# Altium PCB FPGA_Module.PcbDoc (part 5 of 6)
Units mm, origin at the board's own origin, x right, y up, seen from the top; angles counter-clockwise.
Board outline 40 x 50 mm, 6 copper layers (Top Layer, Int1 (GND), Int2 (Sign), Int3 (Sign), Int4 (GND), Bottom Layer), stack 1.482 mm thick; 195 components, 212 nets, 1182 pads, 669 vias.
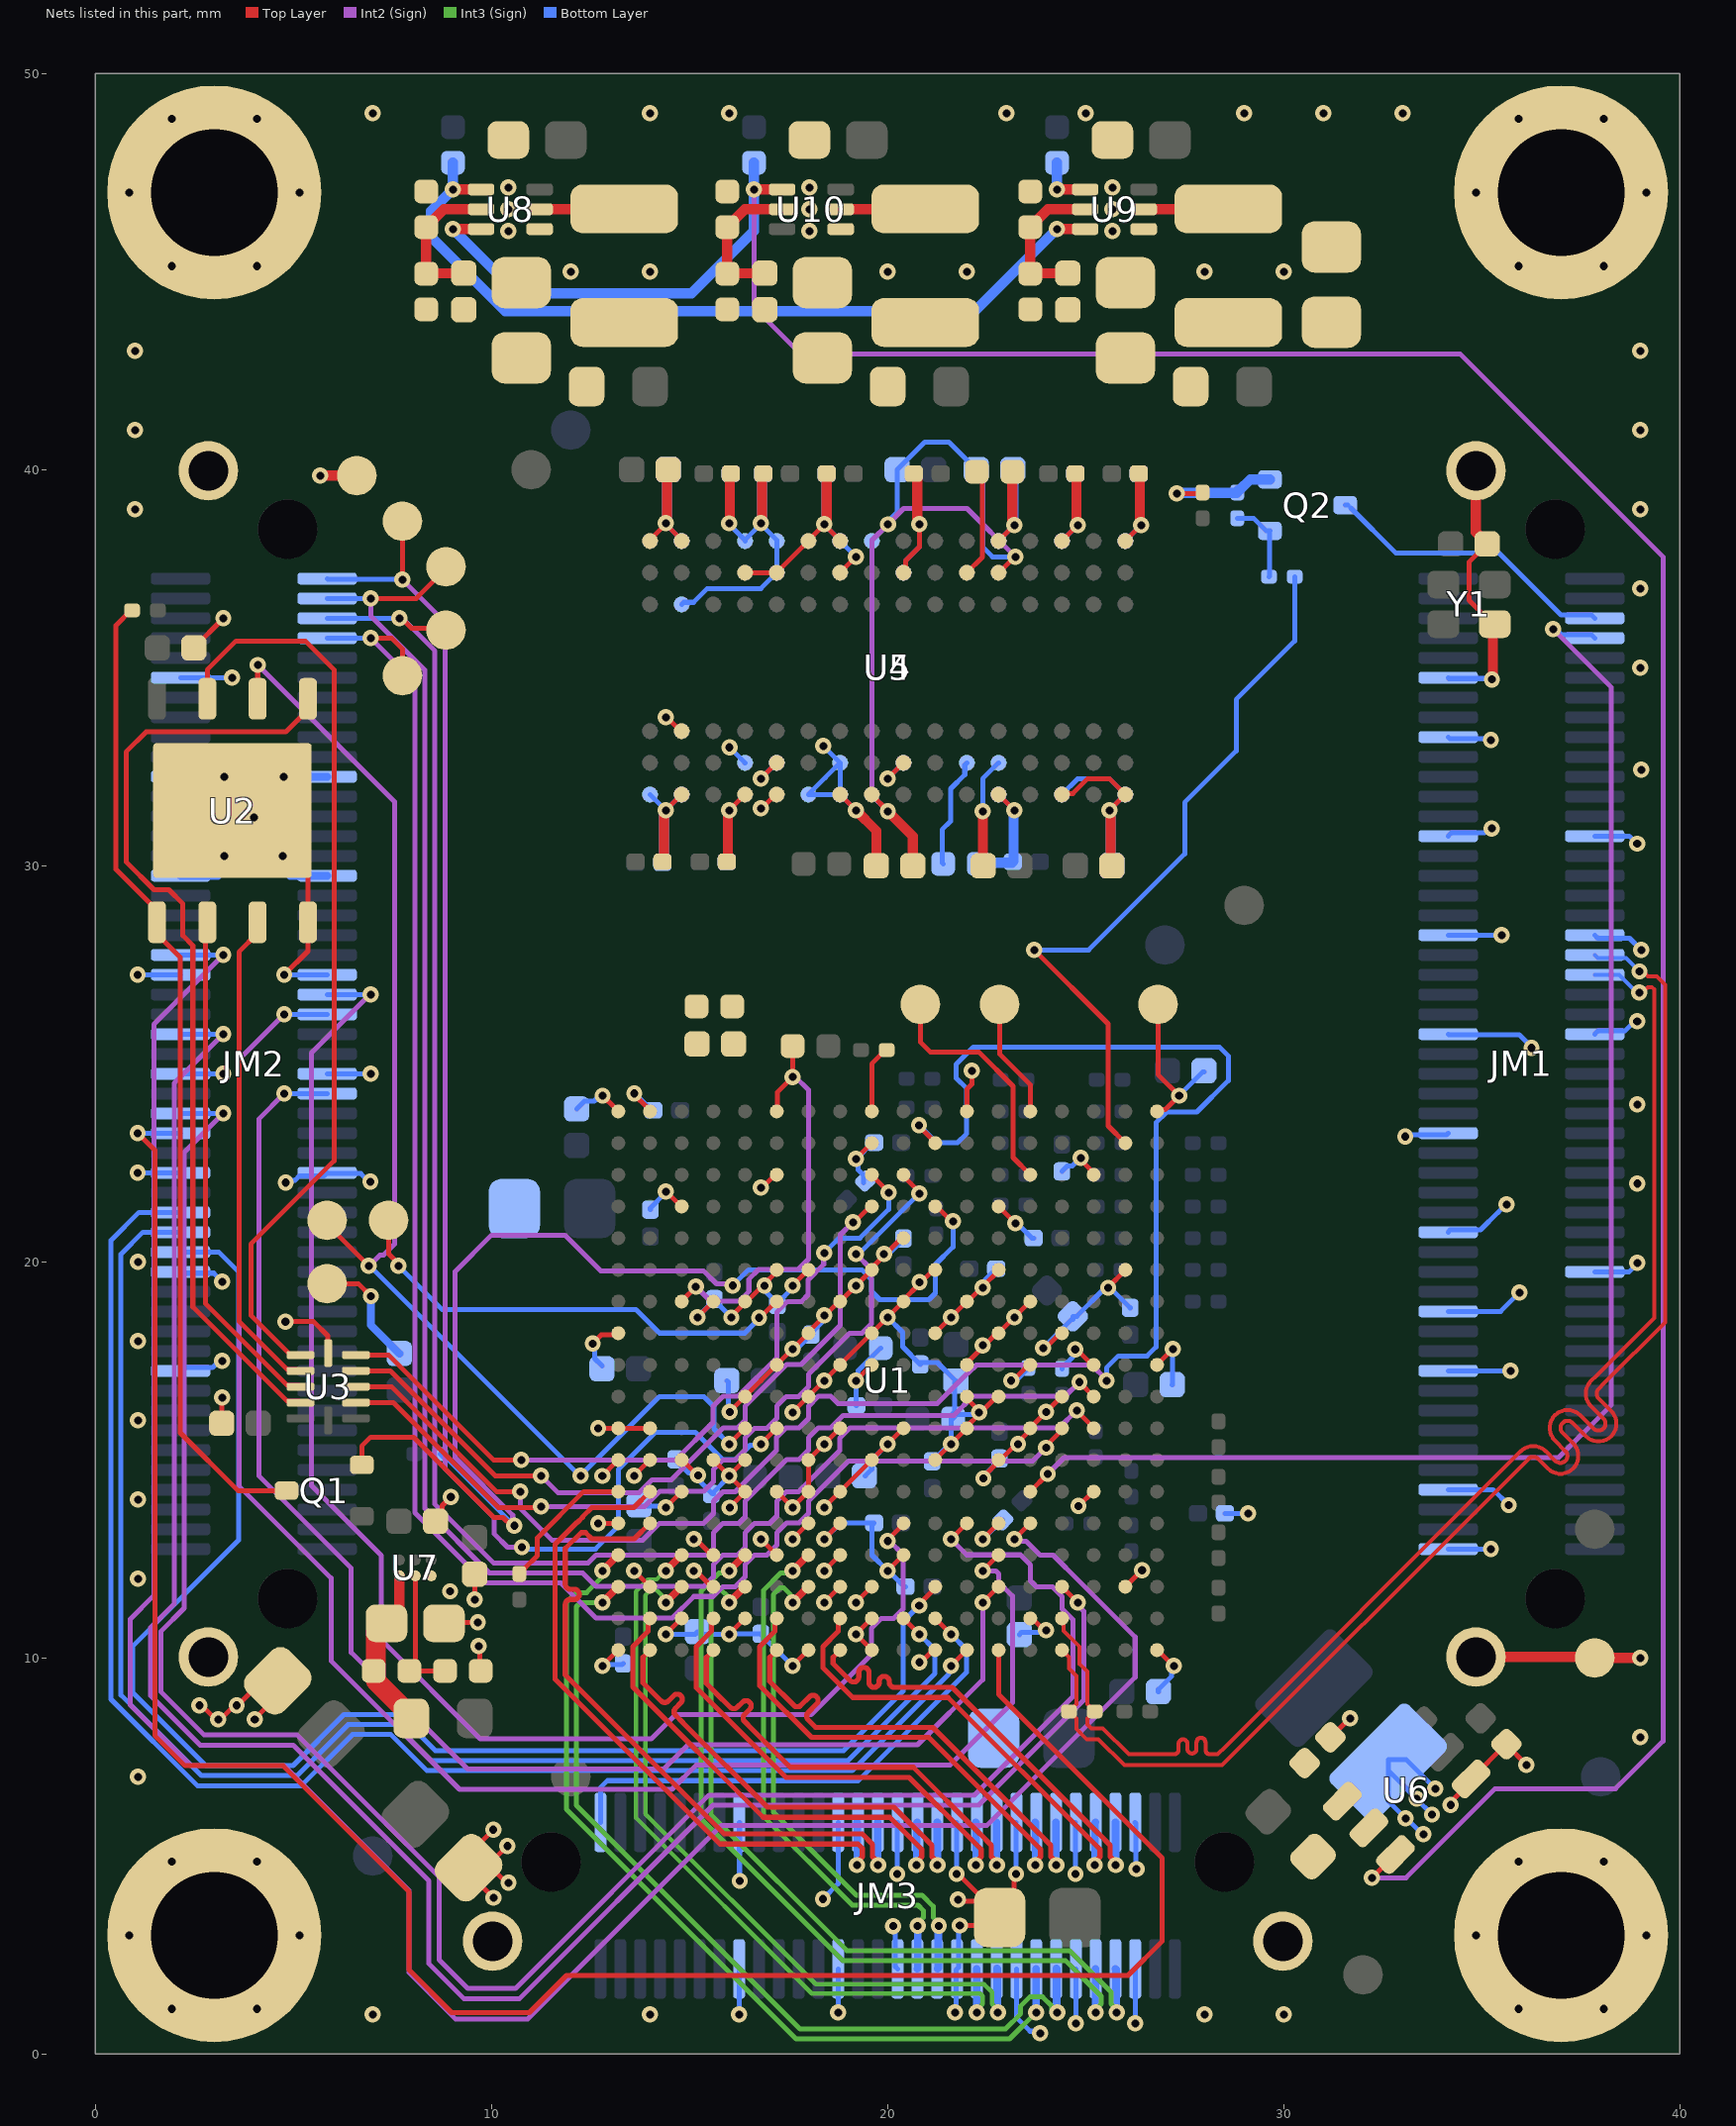
[diagram p9: the nets of this part, all layers, seen from the top]

## Via types
v1: diameter 0.406, hole 0.203, Top Layer to Bottom Layer, tented both sides, 669 vias

## Nets (pads, with @x,y where several pads share a name; then routed paths per layer and width w, separated by ;. In a path a pad name is that pad's centre, name@x,y a point inside that pad or via, vN(x,y) a via of type N, cw(c..) or ccw(c..) an arc to the next point about the centre after c; other vN are vias at no path point) (continued)
GND: C1.2 C2.2 C3.2 C4.1 C6.1 C7.1 C8.1 C9.1 C10.1 C11.1 C12.1 C13.1 C14.1 C15.1 C16.1 C18.1 C19.1 C20.1 C21.1 C22.1 C23.1 C24.1 C25.1 C26.1 C27.1 C28.1 C29.1 C30.1 C31.1 C32.1 C33.1 C34.1 C35.1 C36.1 C37.1 C38.1 C39.1 C40.1 C41.1 C42.1 C43.1 C44.1 C45.1 C46.1 C47.1 C48.1 C49.1 C50.1 C51.1 C52.1 C53.1 C54.1 C55.1 C56.1 C57.1 C58.1 C59.1 C60.1 C61.1 C62.1 C63.1 C65.1 C66.1 C67.1 C68.1 C69.1 C70.1 C71.1 C72.2 C75.1 C76.1 C77.1 C78.1 C79.1 C80.1 C82.1 C83.1 C84.1 C85.1 C87.1 FB2.2 JM1.2 JM1.8 JM1.20 JM1.26 JM1.29 JM1.34 JM1.44 JM1.53 JM1.54 JM1.63 JM1.64 JM1.73 JM1.74 JM1.84 JM1.90 JM1.101 JM1.102 JM2.20 JM2.30 JM2.39 JM2.40 JM2.49 JM2.50 JM2.59 JM2.60 JM2.69 JM2.70 JM2.79 JM2.80 JM2.90 JM2.101 JM2.102 JM3.5 JM3.6 JM3.11 JM3.12 JM3.17 JM3.18 JM3.23 JM3.24 JM3.29 JM3.30 JM3.35 JM3.36 JM3.45 JM3.46 JM3.61 JM3.62 MH1.1 MH2.1 MH3.1 MH4.1 Q2.3 R16.2 R17.2 R18.2 R35.1 R47.1 R50.1 R52.1 R59.2 R61.1 TP5.1 TP7.1 TP12.1 TP13.1 U1.A1 U1.A5 U1.A7 U1.A8 U1.A11 U1.A18 U1.B3 U1.B7 U1.B8 U1.B18 U1.C2 U1.C6 U1.C7 U1.C15 U1.D3 U1.D4 U1.D7 U1.D12 U1.E2 U1.E6 U1.E7 U1.E9 U1.E12 U1.F4 U1.F6 U1.F10 U1.F13 U1.F16 U1.G1 U1.G5 U1.G6 U1.G7 U1.G9 U1.G11 U1.G13 U1.H3 U1.H4 U1.H5 U1.H6 U1.H8 U1.H10 U1.H12 U1.J1 U1.J2 U1.J3 U1.J7 U1.J11 U1.J13 U1.J17 U1.K4 U1.K8 U1.K12 U1.K14 U1.L1 U1.L7 U1.L11 U1.L13 U1.M8 U1.M9 U1.M10 U1.M12 U1.M18 U1.N5 U1.N7 U1.N9 U1.N11 U1.N13 U1.N15 U1.P2 U1.P8 U1.P12 U1.R9 U1.R11 U1.T6 U1.T16 U1.U3 U1.U13 U1.V1 U1.V10 U1.V18 U2.4 U2.9 U3.6 U4.A9 U4.B1 U4.B3 U4.B9 U4.D1 U4.D8 U4.E1 U4.E2 U4.E8 U4.F9 U4.G1 U4.G8 U4.G9 U4.J2 U4.J8 U4.M1 U4.M9 U4.P1 U4.P9 U4.T1 U4.T9 U5.A9 U5.B1 U5.B3 U5.B9 U5.D1 U5.D8 U5.E1 U5.E2 U5.E8 U5.F9 U5.G1 U5.G8 U5.G9 U5.J2 U5.J8 U5.M1 U5.M9 U5.P1 U5.P9 U5.T1 U5.T9 U6.4 U7.C1 U8.1 U9.1 U10.1 Y1.2 | length 270.9
  Top Layer w0.127: C3.2@2.485,35.5 2.485,35.502 3.23,36.248 v1(3.23,36.25) ; v1(2.625,8.802) 2.686,8.802 3.039,8.45 3.158,8.45 3.51,8.802 3.591,8.802 4.211,9.422 C58.1@4.603,9.422 ; C2.2@3.2,15.86 3.195,15.864 3.195,16.57 v1(3.2,16.575) ; U2.9@3.46,31.395 3.73,31.395 5.365,29.76 5.365,27.845 v1(4.77,27.25) ; v1(4.025,8.45) 4.025,8.462 4.603,9.04 C58.1@4.603,9.422 ; C58.1@4.603,9.565 C58.1@4.603,9.422 ; v1(4.799,18.491) 5.509,18.491 5.869,18.131 5.869,17.706 U3.6@5.875,17.7 ; TP7.1@5.85,19.45 6.637,19.45 v1(6.956,19.131) ; U7.C1@8.475,12.062 U7.C1@8.475,12.075 ; C84.1@8.585,13.425 8.753,13.593 8.753,13.844 v1(8.974,14.065) ; C83.1@8.8,10.875 8.825,10.9 v1(9.655,10.9) ; v1(9.575,11.475) C85.1@9.575,12.14 ; v1(9.675,10.3) 9.7,10.275 9.7,9.7 R61.1@9.725,9.675 ; v1(10.045,5.663) 9.422,5.04 C49.1@9.422,4.703 ; v1(10.051,3.946) 9.422,4.575 C49.1@9.422,4.703 ; v1(10.401,5.251) C49.1@9.853,4.703 ; v1(10.428,4.324) 10.37,4.324 9.991,4.703 C49.1@9.853,4.703 ; v1(12.552,17.936) 12.773,18.157 13.157,18.157 U1.A11@13.2,18.2 ; v1(12.695,13.4) U1.A5@13.2,13.4 ; v1(12.695,15.8) 13.125,15.8 U1.A8@13.162,15.762 ; v1(12.797,14.597) U1.A7@13.162,14.962 ; v1(12.8,9.8) U1.A1@13.2,10.2 ; v1(12.806,24.197) 12.806,24.195 13.128,23.874 13.142,23.874 U1.A18@13.159,23.89 ; U1.A8@13.2,15.8 13.925,15.8 U1.B8@13.962,15.762 ; v1(13.6,12.2) U1.B3@14,11.8 ; v1(13.6,14.6) U1.B7@13.962,14.962 ; v1(13.606,24.251) 13.606,24.222 13.941,23.887 13.956,23.887 U1.B18@13.969,23.9 ; U4.A9@14,38.2 14,38.225 14.4,38.625 14.8,38.225 U4.B9@14.8,38.2 ; C13.1@14.315,30.1 C13.1@14.358,30.143 ; v1@14.358,31.358 v1(14.4,31.4) U4.B1@14.8,31.8 ; v1(14.4,10.6) U1.C2@14.8,11 ; v1(14.4,13.8) U1.C6@14.8,14.2 ; v1(14.4,21.775) 14.413,21.775 14.75,21.438 U1.C15@14.762,21.438 ; v1(14.4,33.75) 14.425,33.75 14.775,33.4 U4.B3@14.8,33.4 ; U1.C7@14.813,14.962 14.85,14.962 15.2,14.613 v1(15.213,14.613) ; v1(15.109,12.2) 15.154,12.2 15.554,11.8 U1.D3@15.6,11.8 ; v1(15.109,13) 15.154,13 15.554,12.6 U1.D4@15.6,12.6 ; v1(15.2,18.6) U1.D12@15.562,18.962 ; U1.D7@15.562,14.962 15.638,14.962 v1(16,14.6) U1.E6@16.4,14.2 16.4,14.192 16.013,13.805 v1(16.013,13.797) ; C7.1@15.94,30.1 C7.1@15.97,30.13 ; v1@15.97,31.37 v1(16,31.4) U4.D1@16.4,31.8 ; v1@15.975,14.575 U1.E7@16.4,15 ; v1(16,10.6) U1.E2@16.4,11 ; v1(16.013,16.213) U1.E9@16.362,16.562 ; v1(16.057,18.596) 16.057,18.626 16.362,18.932 U1.E12@16.362,18.962 ; U1.E9@16.4,16.6 16.8,17 U1.F10@17.162,17.362 ; U1.E12@16.4,19 16.446,19 16.846,19.4 v1(16.891,19.4) 16.891,19.446 17.162,19.717 U1.F13@17.162,19.762 ; U4.D8@16.4,37.4 U4.E8@17.2,37.4 U4.F9@18,38.2 18,38.213 v1@18.4,38.613 ; v1(16.8,13) U1.F4@17.2,12.6 ; v1(16.8,21.875) 16.838,21.875 17.125,22.162 U1.F16@17.162,22.162 ; v1(16.8,31.45) 16.825,31.45 17.175,31.8 U4.E1@17.2,31.8 ; v1(16.8,32.2) U4.E2@17.2,32.6 ; U1.F6@17.2,14.2 v1(17.6,13.8) U1.G6@17.962,14.162 ; U1.F10@17.2,17.4 v1(17.6,17.8) U1.G11@17.962,18.162 ; v1(17.6,9.8) U1.G1@18,10.2 ; v1(17.6,13) U1.G5@18,13.4 ; v1(17.6,16.2) U1.G9@17.962,16.562 ; v1(17.6,19.4) U1.G13@17.962,19.762 ; U1.G6@18,14.2 U1.G7@18,15 v1(18.4,15.4) U1.H8@18.762,15.762 ; U1.G9@18,16.6 v1(18.4,17) ; U1.G11@18,18.2 18,18.225 18.775,19 U1.H12@18.8,19 ; v1(18.4,11.4) U1.H3@18.8,11.8 ; v1(18.4,12.2) U1.H4@18.8,12.6 ; v1(18.4,13) U1.H5@18.8,13.4 ; v1(18.4,13.8) U1.H6@18.762,14.162 ; v1(18.4,38.625) v1@18.4,38.613 ; v1@18.425,17.025 U1.H10@18.762,17.362 ; U1.H6@18.8,14.2 U1.J7@19.6,15 v1(20,15.4) U1.K8@20.362,15.762 ; U1.H10@18.8,17.4 U1.J11@19.6,18.2 v1(20,18.6) U1.K12@20.362,18.962 ; U4.G1@18.8,31.8 v1(19.2,31.4) ; U4.G8@18.8,37.4 v1(19.2,37.8) ; U4.G9@18.8,38.2 18.8,38.213 v1@18.4,38.613 ; U1.H12@18.825,19.025 18.828,19.025 19.197,19.393 v1(19.2,19.393) ; v1(19.2,11.4) U1.J3@19.6,11.8 ; v1@19.2,19.379 19.2,19.397 19.562,19.759 U1.J13@19.562,19.762 ; v1(19.2,22.6) U1.J17@19.6,23 ; U1.J1@19.6,10.212 U1.J1@19.6,10.2 v1(19.2,10.6) U1.J2@19.6,11 ; U1.J13@19.6,19.8 19.6,19.846 v1@19.954,20.2 ; v1@19.956,20.201 20.317,20.562 U1.K14@20.362,20.562 ; v1(20,12.2) U1.K4@20.362,12.562 ; v1(20,32.2) U4.J2@20.4,32.6 ; U1.K12@20.4,19 20.4,19.041 20.804,19.445 v1(20.804,19.486) ; U4.J8@20.4,37.4 20.452,37.452 20.452,37.7 20.8,38.048 v1(20.8,38.625) ; v1(20.8,9.888) 20.844,9.888 21.119,10.162 U1.L1@21.162,10.162 ; v1@20.8,19.425 20.8,19.441 21.121,19.762 U1.L13@21.162,19.762 ; U1.L7@21.2,15 v1(21.6,15.4) U1.M8@21.962,15.762 ; U1.L11@21.2,18.2 v1(21.6,18.6) U1.M12@21.962,18.962 ; v1(21.741,4.542) 21.787,4.542 22.825,3.504 C50.1@22.825,3.45 ; v1(21.775,3.9) 21.819,3.856 22.419,3.856 C50.1@22.825,3.45 ; v1(21.825,3.247) 22.622,3.247 C50.1@22.825,3.45 ; U1.M8@22,15.8 22,15.846 22.309,16.154 v1(22.309,16.2) ; U1.M9@22,16.6 22,16.554 22.275,16.279 22.275,16.2 22.354,16.2 22.717,16.562 U1.N9@22.762,16.562 ; U1.M10@22,17.446 22.4,17.846 v1@22.446,17.846 ; U1.M12@22,19 22.025,19 22.375,19.35 v1(22.4,19.35) 22.4,19.375 22.804,19.779 U1.N13@22.825,19.779 ; U1.M18@22,23.8 22.006,23.806 22.006,24.363 22.125,24.482 v1(22.125,24.825) ; v1(22.4,13) U1.N5@22.762,13.362 ; v1(22.4,17.891) v1@22.446,17.846 ; v1(22.418,14.531) 22.418,14.575 22.762,14.919 U1.N7@22.762,14.962 ; U1.N11@22.762,18.162 22.717,18.162 22.446,17.891 v1@22.446,17.846 ; U1.N7@22.8,15 22.846,15 23.246,15.4 23.3,15.4 23.3,15.454 23.6,15.754 23.6,15.806 24,16.206 v1(24,16.213) 24.006,16.213 24.356,16.562 U1.R9@24.362,16.562 ; U1.N11@22.8,18.2 v1(23.2,18.6) U1.P12@23.562,18.962 ; U1.N15@22.8,21.4 v1(23.225,20.975) ; U4.M1@22.8,31.8 v1(23.2,31.4) ; U4.M9@22.8,38.2 v1(23.2,38.6) ; v1(23.241,4.542) 23.187,4.489 23.187,3.812 C50.1@22.825,3.45 ; U1.P2@23.638,10.962 23.688,10.962 23.95,10.7 v1(24,10.7) ; v1(23.925,17.825) 23.987,17.825 24.325,18.162 U1.R11@24.362,18.162 ; U4.P1@24.4,31.8 24.425,31.825 24.673,31.825 25.038,32.191 25.61,32.191 U4.T1@26,31.8 v1(25.6,31.4) ; U4.P9@24.4,38.2 v1(24.8,38.6) ; v1(24.815,13.836) 24.826,13.836 25.189,14.2 U1.T6@25.2,14.2 ; v1(24.875,22.625) 24.875,22.575 25.187,22.263 U1.T16@25.187,22.2 ; v1(25.57,19.345) 25.57,19.357 26,19.787 U1.U13@26,19.8 ; C11.1@25.66,29.993 C11.1@25.66,30 ; U1.U3@26,11.8 26.005,11.8 26.419,12.214 v1(26.424,12.214) ; U4.T9@26,38.2 v1(26.4,38.6) ; U1.V18@26.8,23.8 26.843,23.843 27.009,23.843 v1(27.36,24.194) 26.825,24.729 TP5.1@26.825,26.5 ; U1.V1@26.838,10.162 26.85,10.162 27.213,9.8 v1(27.225,9.8) ; U1.V10@26.838,17.438 v1(27.2,17.8) ; v1(27.3,39.4) 27.84,39.4 27.95,39.51 R16.2@27.95,39.55 ; C78.1@31.178,7.995 31.186,7.995 31.666,8.475 v1(31.675,8.475) ; v1(34.214,6.289) 34.214,6.36 34.73,6.876 U6.4@34.73,6.947 34.737,6.947 35.614,7.824 C77.1@35.621,7.824 35.621,7.814 36.125,7.31 v1(36.125,7.3) ; C72.2@35.135,38.125 34.675,37.665 34.675,36.705 Y1.2@35.283,36.098 ; C49.1@9.422,4.703 C49.1@9.853,4.703
  Top Layer w0.254: v1(5.675,39.85) TP12.1@6.6,39.85 ; C13.1@14.358,30.143 v1@14.358,31.358 ; v1@14.4,38.625 v1(14.4,38.65) 14.43,38.68 14.43,39.97 C6.1@14.46,40 ; C7.1@15.97,30.13 v1@15.97,31.37 ; v1(16,38.644) 16.02,38.664 16.02,39.88 C12.1@16.04,39.9 ; v1(16.8,38.65) 16.83,38.68 16.83,39.87 C8.1@16.86,39.9 ; v1(18.4,38.625) 18.4,38.666 18.46,38.726 C9.1@18.46,39.9 ; v1(19.2,31.4) 19.715,30.885 C16.1@19.715,30 ; C10.1@20.66,39.9 20.747,39.813 20.747,38.678 v1(20.8,38.625) ; R17.2@23,39.95 23.147,39.803 23.147,38.653 v1(23.2,38.6) ; C14.1@24.74,39.9 24.77,39.87 24.77,38.63 v1(24.8,38.6) ; v1(25.6,31.4) 25.63,31.37 25.63,30.03 C11.1@25.66,30 ; C26.1@26.34,39.9 26.37,39.87 26.37,38.63 v1(26.4,38.6) ; JM1.101@34.85,10.025 37.825,10.025 TP13.1@37.85,10 v1(39,10) ; JM1.102@34.85,39.975 34.85,38.428 35.135,38.143 C72.2@35.135,38.125 ; v1(35.253,34.703) 35.283,34.733 35.283,36.056 Y1.2@35.329,36.102
  Bottom Layer w0.127: v1(1.07,22.25) JM2.40@2.15,22.25 ; v1(1.07,27.25) JM2.60@2.15,27.25 ; JM2.20@2.15,17.25 2.229,17.329 2.954,17.329 3.124,17.5 v1(3.2,17.5) ; JM2.30@2.15,19.75 2.186,19.714 2.986,19.714 v1@3.2,19.5 ; JM2.50@2.15,24.75 v1(3.23,24.75) ; JM2.90@2.15,34.75 v1(3.45,34.75) ; v1(4.77,27.25) JM2.59@5.85,27.25 ; v1(4.805,22.002) 4.858,22.056 5.03,22.056 5.039,22.065 5.045,22.065 5.151,22.171 5.771,22.171 JM2.39@5.85,22.25 5.871,22.229 6.7,22.229 6.904,22.025 v1(6.944,22.025) ; JM2.49@5.85,24.75 v1(6.95,24.75) ; C41.1@12.15,23.86 12.347,24.057 12.591,24.057 12.731,24.197 v1(12.806,24.197) ; v1(12.552,17.936) 12.606,17.883 12.606,17.559 C44.1@12.79,17.375 ; v1(12.8,9.8) 12.83,9.83 13.295,9.83 C66.1@13.325,9.86 ; v1(13.6,14.6) v1@13.676,14.6 ; v1(13.606,24.251) 13.623,24.251 14.048,23.825 C39.1@14.085,23.825 ; C70.1@13.725,13.86 13.755,13.83 14.37,13.83 v1(14.4,13.8) ; U5.A9@14,31.8 v1(14.4,31.4) ; C46.1@14.011,21.318 14.011,21.361 14.4,21.749 v1(14.4,21.775) ; v1@14.358,31.358 v1(14.4,31.4) ; v1(14.4,10.6) 15.14,10.6 C65.1@15.2,10.66 15.26,10.6 v1(16,10.6) 16.005,10.605 16.795,10.605 C67.1@16.8,10.61 ; v1@14.4,38.625 14.8,38.225 U5.B1@14.8,38.2 ; C68.1@14.65,15.015 14.65,14.995 14.979,14.666 15.159,14.666 v1(15.213,14.613) ; U5.B9@14.8,31.8 v1(14.4,31.4) ; U5.B3@14.8,36.6 14.852,36.652 15.1,36.652 15.448,37 16.8,37 U5.E2@17.2,37.4 U5.E1@17.2,38.2 17.2,38.225 16.8,38.625 16.4,38.225 U5.D1@16.4,38.222 ; v1(15.2,18.6) 15.2,18.608 15.625,19.033 C38.1@15.625,19.034 ; v1@15.222,14.653 15.266,14.609 15.266,14.454 15.578,14.143 15.6,14.143 15.6,14.18 16,14.58 v1(16,14.6) ; C38.1@15.625,19.06 C38.1@15.625,19.034 ; C60.1@15.94,17 15.976,16.964 15.976,16.249 v1(16.013,16.213) ; v1@15.97,31.37 v1(16,31.4) ; v1@16,38.622 U5.D1@16.4,38.222 ; v1(16.008,32.99) U5.D8@16.4,32.6 ; v1(16.057,18.596) 16.057,18.602 C38.1@15.625,19.034 ; v1(16.25,1) JM3.46@16.25,2.15 ; JM3.45@16.25,5.85 16.26,5.84 16.26,4.38 v1(16.27,4.37) ; U5.D1@16.4,38.2 U5.D1@16.4,38.222 ; v1(16.8,32.2) U5.E8@17.2,32.6 ; C67.1@16.802,10.61 C67.1@16.8,10.61 ; v1(16.891,19.4) 16.945,19.347 16.945,19.224 C62.1@17.215,18.954 ; C62.1@17.215,18.911 C62.1@17.215,18.954 ; v1(17.6,9.8) 17.595,9.8 16.8,10.595 C67.1@16.8,10.61 ; v1(17.6,16.2) v1@17.6,16.23 ; v1(17.6,17.8) 17.653,17.853 17.761,17.853 18.073,18.165 C54.1@18.075,18.165 18.075,18.207 18.347,18.479 18.347,18.597 v1(18.4,18.65) ; v1(17.6,19.4) 17.6,19.339 C62.1@17.215,18.954 ; v1(18.364,3.914) 18.75,4.3 JM3.35@18.75,5.85 ; v1(18.375,33.025) U5.G8@18.8,32.6 ; v1(18.4,13) 18.808,13.408 C35.1@19.658,13.408 19.607,13.357 19.607,12.593 v1(20,12.2) 20.015,12.2 20.415,11.8 C34.1@20.45,11.8 ; v1@18.4,38.613 18.8,38.213 U5.G1@18.8,38.2 v1(19.2,37.8) ; v1(18.75,1.05) JM3.36@18.75,2.15 ; v1(19.2,31.4) U5.G9@18.8,31.8 ; C47.1@19.39,21.99 19.39,22.19 19.253,22.327 19.253,22.547 v1(19.2,22.6) 19.215,22.6 19.626,23.011 C48.1@19.661,23.011 ; C55.1@19.435,14.6 19.598,14.763 19.598,14.998 v1(20,15.4) ; v1(19.909,20.2) 19.962,20.253 20.086,20.253 20.373,20.54 C63.1@20.375,20.54 ; v1(20,18.6) 20.379,18.221 20.379,17.856 C51.1@20.825,17.41 ; v1(20,32.2) U5.J8@20.4,32.6 ; v1(20.138,3.228) 20.191,3.175 20.191,2.209 JM3.30@20.25,2.15 ; v1(20.241,4.542) 20.245,4.547 20.245,5.845 JM3.29@20.25,5.85 ; U5.J2@20.4,37.4 20.452,37.452 20.452,37.7 20.8,38.048 v1(20.8,38.625) ; C51.1@20.825,17.46 21.255,17.46 C56.1@21.725,16.99 21.687,16.953 FB2.2@21.687,16.188 ; C52.1@21.125,14.965 21.127,14.965 21.562,15.4 v1(21.6,15.4) 21.6,16.125 21.663,16.188 FB2.2@21.687,16.188 ; FB2.2@21.65,16.05 21.687,16.087 FB2.2@21.687,16.188 ; v1(21.7,1.05) 21.725,1.075 21.725,2.125 21.787,2.187 21.787,3.21 v1(21.825,3.247) ; v1@21.745,4.547 JM3.23@21.745,5.845 ; v1(22.309,16.2) 22.255,16.147 21.728,16.147 FB2.2@21.687,16.188 ; v1(22.4,13) 22.413,13 22.897,13.485 C33.1@22.91,13.485 ; v1(22.4,19.35) 22.453,19.403 22.453,19.536 22.692,19.775 C61.1@22.74,19.775 ; v1(22.418,14.531) 22.418,14.586 22.825,14.993 C53.1@22.825,15.035 ; U5.M9@22.8,31.8 v1(23.2,31.4) ; U5.M1@22.8,38.2 v1(23.2,38.6) ; v1(23.225,20.975) 23.268,20.975 23.643,20.6 C45.1@23.685,20.6 ; v1@23.245,4.547 JM3.17@23.245,5.845 ; JM3.18@23.25,2.15 23.25,0.925 23.599,0.576 23.799,0.576 v1(23.85,0.525) ; C30.1@23.325,10.59 23.382,10.647 23.947,10.647 v1(24,10.7) ; v1(23.925,17.825) 24.65,18.55 24.675,18.55 C59.1@24.675,18.625 24.774,18.625 25.494,19.345 v1(25.57,19.345) ; C36.1@24.4,22.285 24.533,22.418 24.661,22.418 24.868,22.625 v1(24.875,22.625) ; U5.P9@24.4,31.8 24.791,32.191 25.61,32.191 U5.T9@26,31.8 v1(25.6,31.4) ; U5.P1@24.4,38.2 v1(24.8,38.6) ; v1@24.745,4.547 JM3.11@24.745,5.845 ; v1(24.75,0.775) JM3.12@24.75,2.141 ; v1@25.57,19.325 25.638,19.325 26.123,18.84 C37.1@26.125,18.84 ; U5.T1@26,38.2 v1(26.4,38.6) ; JM3.5@26.245,5.845 26.266,5.824 26.266,4.687 v1(26.283,4.671) ; v1(26.25,0.775) JM3.6@26.25,2.141 ; C31.1@26.835,9.15 26.835,9.202 27.172,9.539 27.172,9.747 v1(27.225,9.8) ; C43.1@27.185,16.9 27.192,16.908 27.192,17.792 v1(27.2,17.8) ; v1(27.36,24.194) 27.36,24.2 27.96,24.8 C40.1@27.985,24.8 ; C32.1@28.515,13.65 v1(29.1,13.65) ; v1(33.069,23.165) 33.111,23.208 34.108,23.208 JM1.44@34.15,23.25 ; v1@33.35,6.45 33.35,6.442 33.74,6.053 v1(33.74,6.045) ; v1(33.354,6.446) 32.658,7.142 C57.1@32.637,7.142 ; v1(33.525,5.55) 33.5,5.55 33.1,5.95 v1(33.075,5.95) 32.637,6.388 C57.1@32.637,7.142 ; v1(33.825,6.7) 33.087,7.438 32.637,7.438 C57.1@32.637,7.142 ; JM1.2@34.15,12.75 v1(35.23,12.75) ; JM1.8@34.15,14.25 35.285,14.25 v1(35.678,13.856) ; JM1.20@34.15,17.25 v1(35.725,17.25) ; JM1.26@34.15,18.75 35.475,18.75 v1(35.95,19.225) ; JM1.34@34.15,20.75 34.205,20.805 34.966,20.805 35.409,21.248 35.411,21.248 35.612,21.45 v1(35.625,21.45) ; JM1.54@34.15,25.75 34.163,25.737 35.942,25.737 36.252,25.427 v1(36.252,25.401) ; JM1.64@34.15,28.25 v1(35.5,28.25) ; JM1.74@34.15,30.75 34.229,30.829 35.062,30.829 35.174,30.942 v1(35.25,30.942) ; JM1.84@34.15,33.25 34.188,33.212 35.193,33.212 v1(35.23,33.175) ; JM1.90@34.15,34.75 34.173,34.727 35.23,34.727 v1(35.253,34.703) ; JM1.29@37.85,19.75 38.722,19.75 38.925,19.953 v1(38.925,19.975) ; JM1.53@37.85,25.75 37.929,25.829 38.613,25.829 38.858,26.075 v1(38.924,26.075) ; JM1.63@37.85,28.25 37.929,28.171 38.729,28.171 v1(39.025,27.875) ; JM1.73@37.85,30.75 38.721,30.75 38.914,30.556 v1(38.924,30.556) ; U5.G9@18.8,31.8 U5.F9@18,31.8 18.425,32.225 U5.G8@18.8,32.6 ; U5.G9@18.8,31.8 U5.G8@18.8,32.6
  Bottom Layer w0.2: JM2.70@2.15,29.75 3.087,29.75 3.25,29.913 v1(3.25,30.25) ; JM2.80@2.15,32.25 v1(3.25,32.25) ; v1(4.725,30.25) 4.725,29.938 4.913,29.75 JM2.69@5.85,29.75 ; v1(4.75,32.25) JM2.79@5.85,32.25 ; v1(6.956,19.131) 6.957,18.403 C1.2@7.675,17.685
  Bottom Layer w0.254: C15.1@14.315,30.075 14.358,30.118 v1@14.358,31.358 ; v1@14.4,38.625 v1(14.4,38.65) 14.43,38.68 14.43,39.97 C18.1@14.46,40 ; C20.1@15.94,30.1 15.97,30.13 v1@15.97,31.37 ; v1@16,38.622 v1(16,38.644) 16.02,38.664 16.02,39.88 C22.1@16.04,39.9 ; v1@16.8,38.625 v1(16.8,38.65) 16.83,38.68 16.83,39.87 C21.1@16.86,39.9 ; v1@18.4,38.613 18.4,38.666 18.46,38.726 C24.1@18.46,39.9 ; R18.2@22.3,30.05 22.325,30.075 23.135,30.075 C25.1@23.16,30.1 23.18,30.12 23.18,31.38 v1(23.2,31.4) ; C4.1@23.16,40 23.18,39.98 23.18,38.62 v1(23.2,38.6) ; C19.1@24.74,39.9 24.77,39.87 24.77,38.63 v1(24.8,38.6) ; v1(25.6,31.4) 25.63,31.37 25.63,30.03 C23.1@25.66,30 ; C27.1@26.34,39.9 26.37,39.87 26.37,38.63 v1(26.4,38.6) ; v1(27.3,39.4) 27.312,39.412 28.813,39.412 R59.2@28.825,39.425 28.825,39.45 28.873,39.498 28.898,39.498 29.154,39.754 Q2.3@29.651,39.754
  other v1: 7,1 14,1 28,1 30,1 1.925,1.138 4.075,1.138 35.925,1.138 38.075,1.138 0.85,3 5.15,3 34.85,3 39.15,3 24.741,4.542 1.925,4.862 4.075,4.862 35.925,4.862 38.075,4.862 1.075,7 39,8 3.1,8.45 3.568,8.802 8.956,11.68 1.075,12 1.075,14 23.291,15.4 1.075,16 1.075,18 3.2,19.5 1.075,20 38.925,21.977 38.925,23.975 4,31.225 39.025,32.425 39,35 39,37 1,39 39,39 1,41 39,41 1,43 39,43 12,45 14,45 20,45 22,45 28,45 30,45 1.925,45.138 4.075,45.138 35.925,45.138 38.075,45.138 10.425,46.025 18.025,46.025 25.675,46.025 10.425,46.575 18.025,46.575 25.675,46.575 0.85,47 5.15,47 34.85,47 39.15,47 10.425,47.125 18.025,47.125 25.675,47.125 1.925,48.862 4.075,48.862 35.925,48.862 38.075,48.862 7,49 14,49 16,49 23,49 25,49 29,49 31,49 33,49
LCLK_N: JM1.61 R10.1 U1.R1 | length 35.8
  Top Layer w0.1: U1.R1@24.4,10.2 24.4,10.19 24.574,10.016 24.574,9.736 24.763,9.547 24.763,8.833 R10.1@24.58,8.65 ; R10.1@24.575,8.65 R10.1@24.58,8.65 ; v1(38.979,27.333) 39.061,27.333 39.191,27.204 39.412,27.204 39.625,26.99 39.625,18.473 38.083,16.931 37.951,16.799 ccw(c38.076,16.674) 37.951,16.549 38.265,16.235 cw(c37.946,15.916) 38.265,15.597 cw(c37.946,15.916) 37.627,15.597 37.29,15.934 ccw(c37.165,15.808) 37.04,15.934 ccw(c37.165,15.808) 37.04,15.683 37.303,15.42 cw(c36.984,15.101) 37.303,14.782 cw(c36.984,15.101) 36.665,14.782 36.425,15.023 ccw(c36.3,14.897) 36.175,15.023 35.561,14.409 28.444,7.292 25.98,7.292 25.321,7.951 25.024,7.951 24.763,8.212 24.763,8.467 R10.1@24.58,8.65
  Bottom Layer w0.1: JM1.61@37.85,27.75 37.935,27.665 38.647,27.665 v1(38.979,27.333)
LCLK_P: JM1.59 R10.2 U1.R2 | length 36.6
  Top Layer w0.1: U1.R2@24.4,11 24.448,10.952 24.448,10.685 24.848,10.284 24.848,9.849 25.037,9.66 25.037,8.833 25.22,8.65 R10.2@25.225,8.65 ; R10.2@25.213,8.65 25.213,8.643 25.037,8.467 25.037,8.325 25.137,8.225 25.434,8.225 26.093,7.566 27.18,7.566 27.23,7.566 ccw(c27.23,7.679) 27.343,7.679 27.343,7.83 cw(c27.457,7.83) 27.57,7.83 27.57,7.7 ccw(c27.684,7.7) 27.797,7.7 27.797,7.871 cw(c27.911,7.871) 28.024,7.871 28.024,7.679 ccw(c28.138,7.679) 28.138,7.566 28.33,7.566 28.527,7.763 35.368,14.603 35.981,15.216 cw(c36.3,14.897) 36.619,15.216 36.859,14.976 ccw(c36.984,15.101) 37.109,14.976 ccw(c36.984,15.101) 37.109,15.226 36.846,15.49 cw(c37.165,15.808) 36.846,16.127 cw(c37.165,15.808) 37.484,16.127 37.821,15.791 ccw(c37.946,15.916) 38.071,15.791 ccw(c37.946,15.916) 38.071,16.041 37.758,16.354 cw(c38.076,16.674) 37.757,16.992 37.889,17.125 39.351,18.586 39.351,26.725 39.35,26.878 39.298,26.93 39.187,26.93 39.057,26.8 v1(38.975,26.8)
  Bottom Layer w0.1: JM1.59@37.85,27.25 38.464,27.25 38.914,26.8 v1(38.975,26.8)
LED: R62.1 U1.U17 | length 18.8
  Top Layer w0.127: v1(23.7,27.875) 25.566,26.009 25.566,23.434 U1.U17@26,23
  Bottom Layer w0.127: v1(23.7,27.875) 25.075,27.875 27.5,30.3 27.5,31.6 28.8,32.9 28.8,34.2 30.275,35.675 R62.1@30.275,37.3
LED_3V3: JM1.95 Q2.1 | length 7.4
  Bottom Layer w0.127: Q2.1@31.551,39.104 Q2.1@31.616,39.104 ; Q2.1@31.69,39.035 32.825,37.9 35.432,37.9 37.002,36.329 37.771,36.329 JM1.95@37.85,36.25
MGT_CLK1_N: JM3.31 U1.B5 | length 17.4
  Top Layer w0.127: 12.529,13.006 12.86,13.006
  Top Layer w0.13: 12.529,13.006 12.371,13.164 12.264,13.164 11.862,12.763 11.862,12.622 11.862,11.864 ccw(c11.992,11.864) 11.992,11.734 12.087,11.734 cw(c12.087,11.606) 12.215,11.606 cw(c12.087,11.606) 12.087,11.477 11.992,11.477 ccw(c11.992,11.347) 11.862,11.347 11.862,11.025 11.862,9.57 15.875,5.557 19.361,5.557 19.62,5.297 19.62,4.983 19.758,4.845 v1(19.758,4.77) ; 12.86,13.006 13.606,13.006 U1.B5@14,13.4
  Bottom Layer w0.191: v1@19.75,4.778 JM3.31@19.75,5.85
MGT_CLK1_P: JM3.33 U1.B6 | length 17.5
  Top Layer w0.127: 12.3,13.561 12.533,13.795
  Top Layer w0.13: 12.3,13.561 12.3,13.551 12.17,13.421 12.157,13.421 11.605,12.869 11.605,9.463 15.769,5.3 19.254,5.3 19.363,5.191 19.363,4.983 19.225,4.845 v1(19.225,4.77) ; 12.533,13.795 13.595,13.795 U1.B6@14,14.2